# Altium PCB REB215_XPRO_Extension.PcbDoc (part 4 of 5)
Units mil, origin at the board's own origin, x right, y up, seen from the top; angles counter-clockwise.
Board outline 4055.74 x 2606 mil, 6 copper layers (Top Layer LF-signals, Signal Layer 1, Internal Plane 1, Mid-1, Mid-2, Bottom Layer LF-signals), stack 58.434 mil thick; 278 components, 292 nets, 1282 pads, 1177 vias.
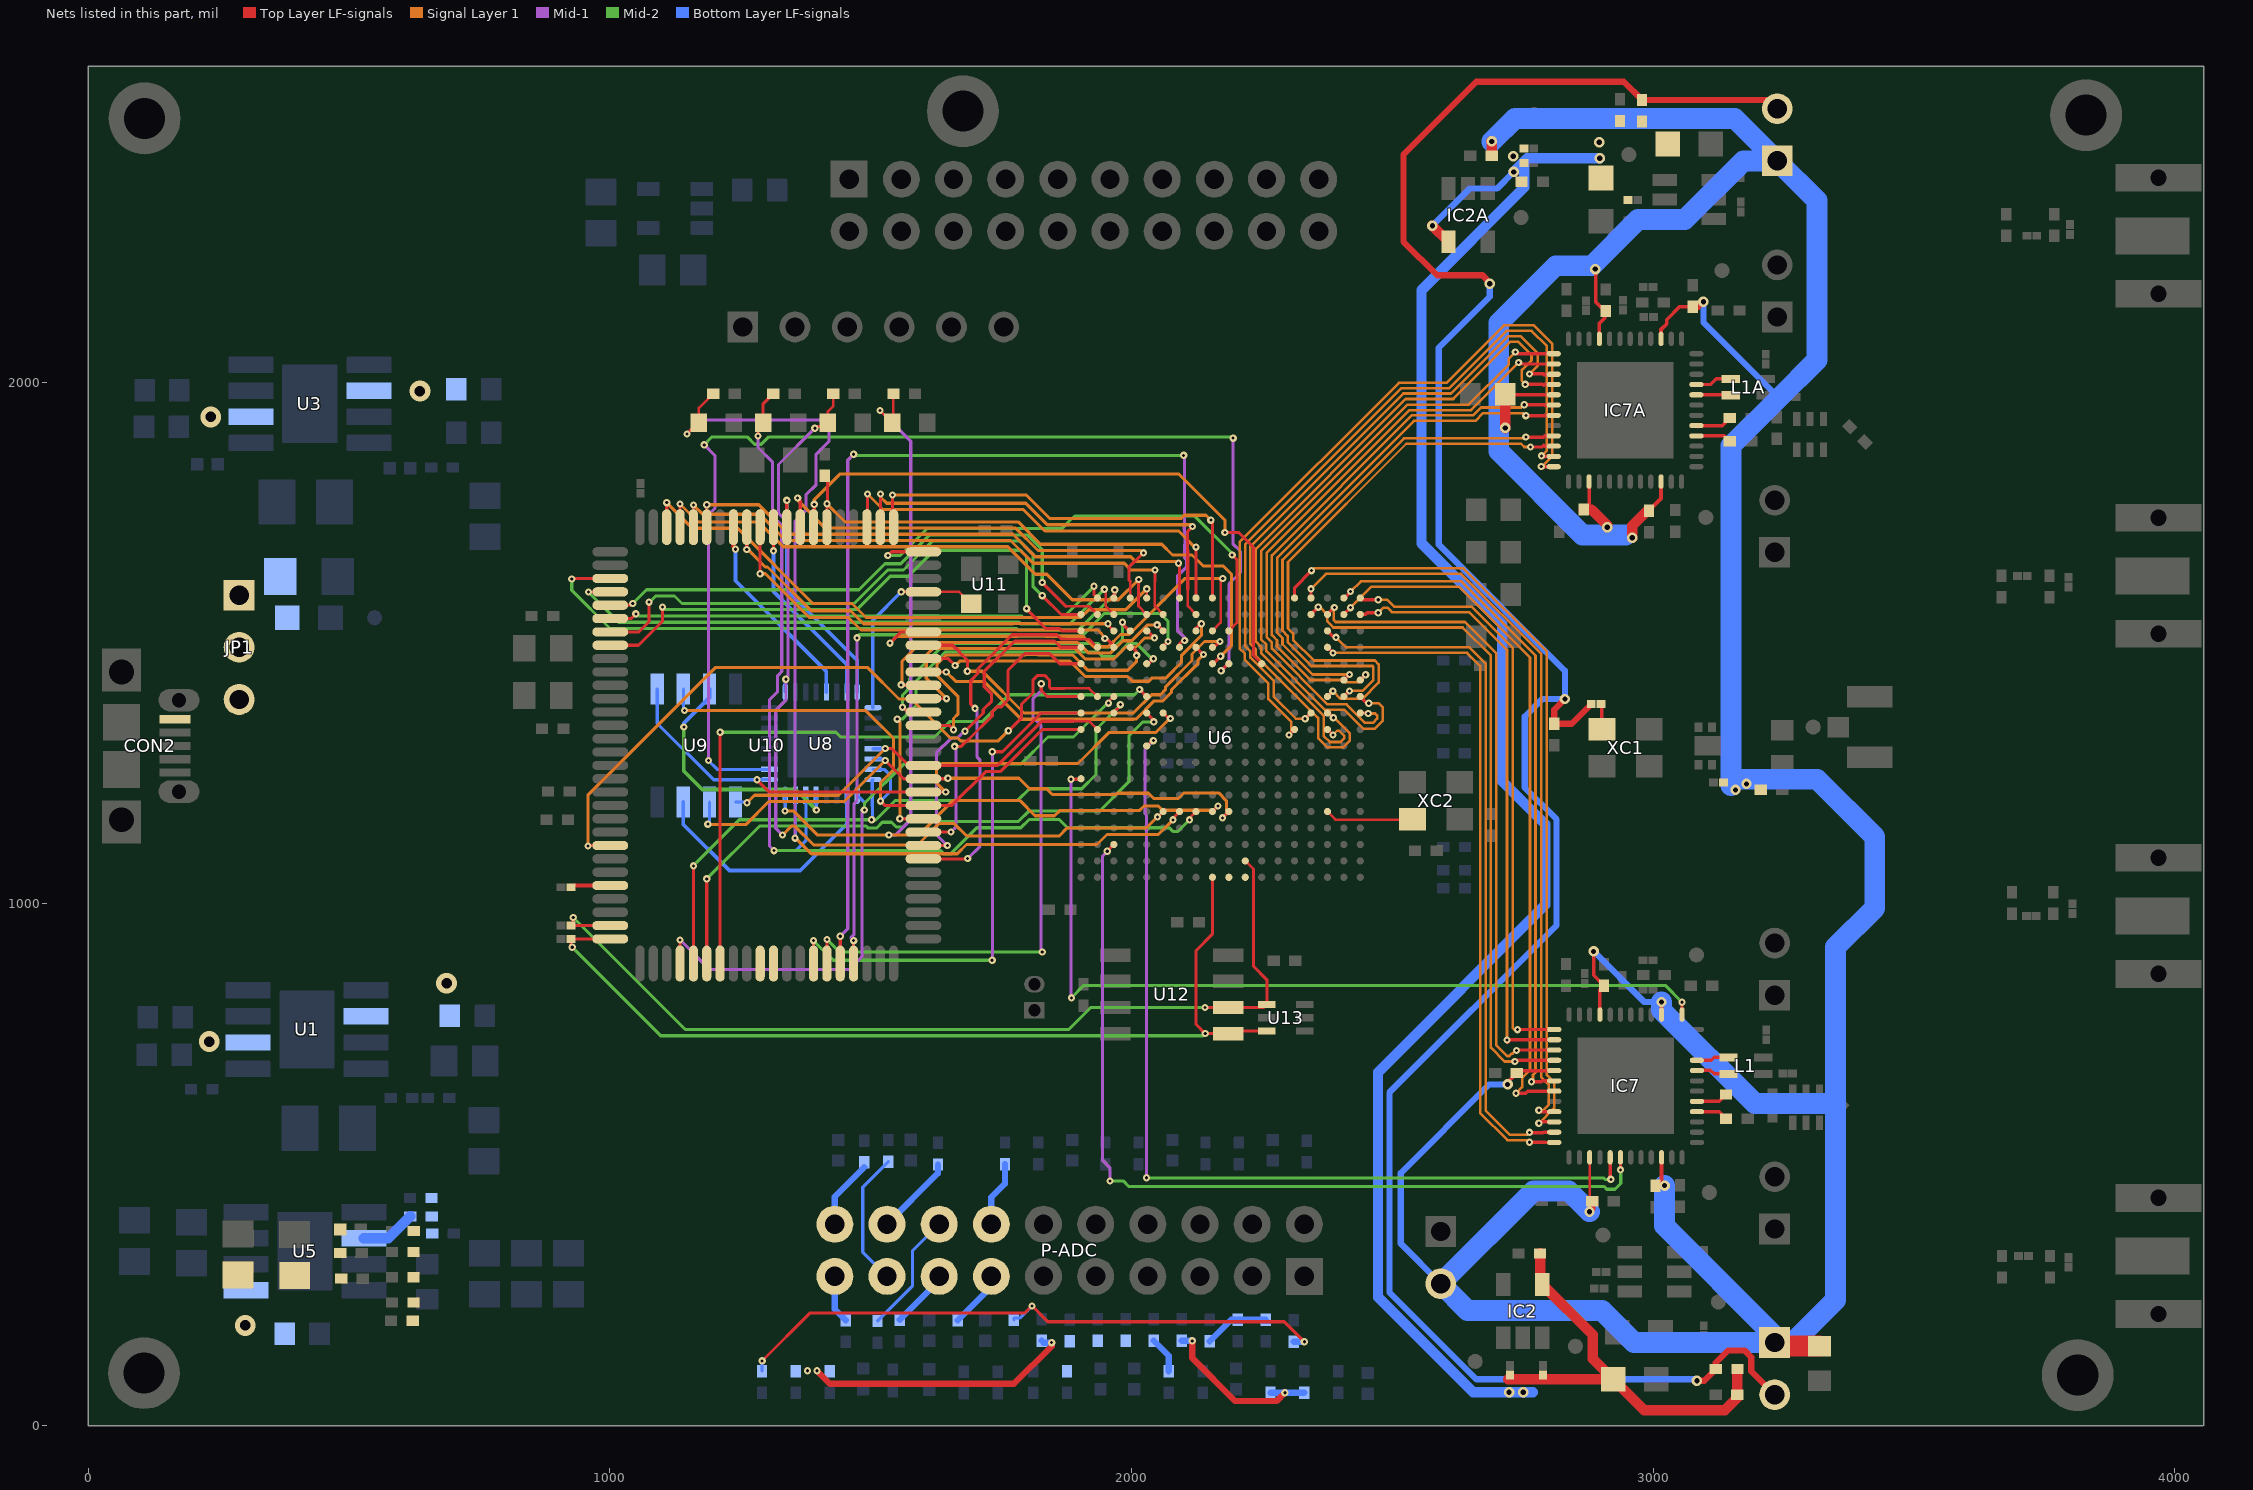
[diagram p8: the nets of this part, all layers, seen from the top]

## Via types
v1: diameter 20, hole 10, Top Layer LF-signals to Bottom Layer LF-signals, 660 vias
v2: diameter 14, hole 6, Top Layer LF-signals to Bottom Layer LF-signals, 470 vias
v3: diameter 40, hole 20, Top Layer LF-signals to Bottom Layer LF-signals, 46 vias
v4: diameter 12, hole 6, Top Layer LF-signals to Bottom Layer LF-signals, 1 vias

## Nets (pads, with @x,y where several pads share a name; then routed paths per layer and width w, separated by ;. In a path a pad name is that pad's centre, name@x,y a point inside that pad or via, vN(x,y) a via of type N, cw(c..) or ccw(c..) an arc to the next point about the centre after c; other vN are vias at no path point) (continued)
NetR019_1: R019.1 U10.26 | length 72.1
  Top Layer LF-signals w7: R019.1@928.74,1035.3 U10.26@1000.8,1035.3
NetR23_1: R23.1 R24.2 R25.1
NetR23_2: R23.2 U5.6 | length 106.1
  Bottom Layer LF-signals w20: U5.6@528.66,359.18 575.67,359.18 R23.2@617.49,401
NetR40_2: R40.2 R58.2 R65.1 | length 1202.9
  Top Layer LF-signals w6: v2@1291.68,123.68 1384,216 1795.82,216 v2(1809.24,229.42) 1839.66,199 2293,199 v2(2331.41,160.59)
  Bottom Layer LF-signals w6: R58.2@1291.68,104.36 1291.68,123.68 v2(1292,124) ; R40.2@1774.48,202.79 1774.48,206.52 1786.68,206.52 1809.24,229.08 v2(1809.24,229.42) 1810.82,231 v2@1811.16,231
  Bottom Layer LF-signals w12: R65.1@2311.1,160.47 2331.29,160.47 v2(2331.41,160.59)
NetR41_2: R41.2 R57.2 R64.1 | length 124.4
  Bottom Layer LF-signals w12: R64.1@2150.11,161.45 2191.45,202.79 R41.2@2203.77,202.79 R57.2@2257.44,202.79
NetR42_2: R42.2 R56.2 R63.1 | length 336.3
  Top Layer LF-signals w12: v2(2116.49,162.43) 2116.49,129.51 2199,47 2277.98,47 v2(2294,63.03)
  Bottom Layer LF-signals w12: R63.1@2096.45,162.43 v2(2116.49,162.43) ; R42.2@2266.46,63.03 v2(2294,63.03) R56.2@2331.45,63.03
NetR43_2: R43.2 R55.2 R62.1 | length 70
  Bottom Layer LF-signals w12: R62.1@2042.79,162.43 2071.5,133.72 R43.2@2071.5,104.36
NetR44_2: R44.2 R54.2 R61.1
NetR45_2: R45.2 R53.2 R60.1 | length 518.3
  Top Layer LF-signals w12: v2(1397,105) 1422,80 1774.74,80 1847,152.26 v2(1847,159)
  Bottom Layer LF-signals w6: v2(1847,159) v2@1847,160.04
  Bottom Layer LF-signals w12: R60.1@1828.14,162.43 1831.58,159 v2(1847,159)
  other v2: 1379,105
NetR46_2: 
NetU6_E3: U6.E3 XC2.3 | length 170.3
  Top Layer LF-signals w5: U6.E3@2375.64,1177.04 2390.94,1161.74 2455.51,1161.74 2455.62,1161.63 2468.38,1161.63 2468.49,1161.74 2538.72,1161.74 XC2.3@2538.72,1162.57
NetU8_10: U8.10 U9.7 | length 485.1
  Bottom Layer LF-signals w7: U9.7@1141,1195.47 1141,1152.29 1229.29,1064 1364.82,1064 1454.6,1153.78 U8.10@1454.6,1208.31
NetU8_13: U8.13 U9.3 | length 499.1
  Mid-2 w7: v2(1142,1339) 1142,1254.34 1177,1219.34 1356.66,1219.34 v2(1396,1180)
  Bottom Layer LF-signals w7: v2(1142,1339) 1142,1346.69 1191,1395.69 U9.3@1191,1412 ; U8.13@1395.5,1208.31 1395.5,1180.5 v2(1396,1180) 1396,1187.84
NetW2_1: W2.1 XC1.4 | length 46.4
  Top Layer LF-signals w7: XC1.4@2901.88,1335 W2.1@2901.88,1381.44
PA0: U6.R15 U10.67 | length 650.7
  Top Layer LF-signals w6: U10.67@1601.2,1342.39 1650.61,1342.39 v2(1659,1334) ; U6.R15@1997.69,1492 2001,1492 2009.91,1483.1 v2(2009.91,1476.51)
  Signal Layer 1 w6: v2(1659,1334) 1659,1355.39 1658.95,1355.45 1667.17,1363.67 1667.17,1398.09 1627,1438.26 1627,1459.34 1645.13,1477.47 1797.14,1477.47 1797.48,1477.81 1820.52,1477.81 1820.86,1477.47 1886.99,1477.47 1916.46,1448 1993,1448 2009.91,1464.91 v2(2009.91,1476.51)
PA1: U6.T15 U10.68 | length 613
  Top Layer LF-signals w6: v2(1561,1377) 1566,1372 1605.22,1372 U10.68@1601.2,1367.98 ; v2(1983,1540) 1983,1536 1995.5,1523.5 U6.T15@1997.69,1523.5
  Mid-2 w6: v2(1561,1377) 1561,1400.06 1574.36,1413.41 1574.36,1431.27 1642.08,1499 1936.51,1499 1942.41,1493.1 1968.09,1493.1 1983,1508 v2(1983,1540)
PA2: U6.T14 U10.69 | length 632.5
  Top Layer LF-signals w6: U10.69@1601.2,1393.57 v2(1645.57,1393.57) ; U6.T14@2029.19,1523.5 2030.5,1523.5 v2(2044,1510)
  Signal Layer 1 w6: v2(1645.57,1393.57) 1606.54,1432.6 1606.54,1477.09 1618.82,1489.38 1792.21,1489.38 1792.55,1489.72 1825.45,1489.72 1825.79,1489.38 1891.92,1489.38 1912.02,1469.28 1965.45,1469.28 1988.81,1492.64 2008.64,1492.64 2026,1510 v2(2044,1510)
PA3: U6.T13 U10.70 | length 640.2
  Top Layer LF-signals w6: v2(1558.45,1420) 1559.29,1419.16 U10.70@1601.2,1419.16 ; v2(2049.18,1535) U6.T13@2060.68,1523.5
  Signal Layer 1 w6: v2(1558.45,1420) 1560,1421.55 1560,1465.1 1596.19,1501.28 1787.28,1501.28 1787.62,1501.62 1830.38,1501.62 1830.72,1501.28 1896.86,1501.28 1916.95,1481.19 1960.52,1481.19 1983.88,1504.55 2000.55,1504.55 2031,1535 v2(2049.18,1535)
PA4: U6.R11 U10.71 | length 657.6
  Top Layer LF-signals w6: U10.71@1601.2,1444.75 v2(1644.98,1444.75) ; U6.R11@2123.67,1492 2137.67,1478 v2(2138,1478)
  Signal Layer 1 w6: v2(1644.98,1444.75) 1663.17,1426.57 1716.6,1426.57 1789.05,1354.11 2003.86,1354.11 2004.07,1354.32 2008.78,1354.32 2043.65,1389.19 2060.52,1389.19 2076.81,1405.48 2076.81,1410.64 2127.84,1461.67 2127.84,1467.84 v2(2138,1478) 2135.67,1478 v2@2133.67,1480
PA5: U6.T11 U10.72 | length 643.7
  Top Layer LF-signals w6: U10.72@1601.2,1470.34 1648.66,1470.34 v2(1662,1457) ; U6.T11@2123.67,1523.5 2123.67,1526.67 2123,1527.35 2132.65,1537 v2(2134,1537)
  Signal Layer 1 w6: v2(1662,1457) 1670.57,1465.57 1802.07,1465.57 1802.41,1465.91 1815.59,1465.91 1815.93,1465.57 1882.06,1465.57 1911.72,1435.91 1992.59,1435.91 2001.59,1426.91 2032.98,1426.91 2038.98,1432.91 2065.4,1432.91 2096.18,1463.68 2096.18,1476.68 2134,1514.51 v2(2134,1537)
PA6: U6.R10 U10.73 | length 721.5
  Top Layer LF-signals w6: U10.73@1601.2,1495.93 1657.07,1495.93 1685.35,1467.65 v2(1685.35,1446) ; U6.R10@2155.17,1492 2158,1492 2169.14,1503.14 v2(2169.81,1503.14)
  Signal Layer 1 w6: v2(1685.35,1446) 1714,1446 1793.98,1366.02 1998.93,1366.02 1999.14,1366.22 2003.84,1366.22 2038.72,1401.1 2055.59,1401.1 2064.91,1410.41 2064.91,1415.58 2115.93,1466.6 2115.93,1479.09 2139.98,1503.14 v2(2169.81,1503.14)
PA7: U6.T10 U10.74 | length 886.6
  Top Layer LF-signals w5: U6.T10@2155.17,1523.5 2170.92,1539.24 v2@2170.92,1618.38
  Top Layer LF-signals w6: v2(1537,1500) 1558.52,1521.52 U10.74@1601.2,1521.52 ; v2@2170.92,1619.92 v2(2175,1624)
  Signal Layer 1 w6: v2(1537,1500) 1550.19,1513.19 1782.35,1513.19 1782.69,1513.53 1835.31,1513.53 1835.65,1513.19 1907.11,1513.19 1927.2,1493.1 1955.59,1493.1 1978.95,1516.45 1995.62,1516.45 2103.16,1624 v2(2175,1624)
PB0: U6.M16 U8.9 U10.34 | length 1325.3
  Top Layer LF-signals w6: U10.34@1134.66,885.69 v2(1134.66,931) ; v2(1956,1385) 1956,1388 1965.51,1397.51 U6.M16@1966.19,1397.51
  Mid-1 w6: v2(1134.66,931) 1191.66,874 1459,874 1483.24,898.24 1483.24,1179.76 1483.49,1180 v2(1488,1180)
  Mid-2 w6: v2(1488,1180) 1488,1192.54 1563.47,1268 1788,1268 1840,1320 1889,1320 1954,1385 v2(1956,1385)
  Bottom Layer LF-signals w6: U8.9@1474.3,1208.31 1488,1194.61 v2(1488,1180)
PB1: U6.L16 U8.8 U10.35 | length 1287.4
  Top Layer LF-signals w6: U10.35@1160.25,885.69 v2(1160.25,1073) ; U6.L16@1966.19,1366.02 1966.19,1367.19 1980,1381 1979.02,1381.98 v2(1978.66,1381.98)
  Mid-2 w6: v2(1160.25,1073) 1160.25,1073.25 1248.27,1161.27 v2(1502,1161.27) 1510.27,1161.27 1547.53,1198.53 1782.03,1198.53 1804.41,1220.91 1904.91,1220.91 1932,1248 1932,1334.51 1979.48,1381.98 v2(1978.66,1381.98)
  Bottom Layer LF-signals w6: v2(1502,1161.27) 1503.91,1163.17 1503.91,1186.59 1503.09,1187.4 1503.09,1237.1 U8.8@1504.35,1238.36
PB2: U6.L14 U10.36 | length 1228.9
  Top Layer LF-signals w6: U10.36@1185.84,885.69 v2(1185.84,1048) ; U6.L14@2029.19,1366.02 2042.79,1352.41 v2(2042.79,1349)
  Mid-2 w6: v2(1185.84,1048) 1287.21,1149.36 1491.41,1149.36 1495.41,1145.36 1511.2,1145.36 1522.5,1156.66 1540.09,1156.66 1549.41,1147.35 1562.59,1147.35 1573.24,1158 1783,1158 1802.97,1177.97 1938.67,1177.97 1995,1234.31 1995,1321.91 2022.09,1349 v2(2042.79,1349)
PB3: U6.M14 U10.37 | length 1305.5
  Top Layer LF-signals w6: U10.37@1211.43,885.69 v2(1211.43,1329) ; v2(2015.7,1411) U6.M14@2029.19,1397.51
  Mid-2 w6: v2@1215,1326.98 1217.02,1329 1433.48,1329 1442.48,1320 1622.51,1320 1652.41,1349.91 1714.74,1349.91 1733.09,1368.26 1733.09,1368.59 1742.41,1377.91 1742.74,1377.91 1765.93,1401.1 2005.79,1401.1 v2(2015.7,1411)
PB4: U6.L18 U10.44 | length 1003.1
  Top Layer LF-signals w6: U10.44@1390.57,885.69 v2(1390.57,929.57) ; v2(1733.1,1291.79) 1752.7,1291.79 1826.92,1366.02 U6.L18@1903.2,1366.02
  Mid-1 w6: v2(1733,892) 1733.72,892.72 1733.72,1291.17 v2(1733.1,1291.79)
  Mid-2 w6: v2(1390.57,929.57) 1428.13,892 v2(1733,892)
PB5: U6.M18 U10.45 | length 1091.5
  Top Layer LF-signals w6: U10.45@1416.16,885.69 v2(1416.16,931.98) ; v2(1827,1422.18) 1827,1409.13 1838.49,1397.65 ; 1838.49,1397.51 1838.49,1397.65 ; U6.M18@1903.2,1397.51 1838.62,1397.51 1838.49,1397.65
  Mid-1 w6: v2(1827,1422.18) 1827,1409 1810.99,1392.99 1810.99,1358.21 1826.91,1342.3 1826.91,910.1 v2(1829,908)
  Mid-2 w6: v2(1416.16,931.98) 1440.14,908 v2(1829,908)
PB6: U6.R12 U10.46 | length 2014.1
  Top Layer LF-signals w6: U10.46@1441.75,885.69 v2(1441.75,938) ; U6.R12@2089,1492 U6.R12@2092.18,1492 2092.18,1498.92 2098.26,1505 v2(2102,1505)
  Mid-1 w6: v2(1441.75,938) 1456,952.25 1456,1850.66 v2(1467.34,1862) ; v2(2100.09,1859.91) 2102,1858 2102,1730.87 2101.09,1729.97 2101.09,1716.79 2102,1715.88 2102,1703.49 2102.91,1702.59 2102.91,1689.41 2102,1688.51 2102,1663.49 2105.91,1659.59 2105.91,1646.41 2088,1628.51 2088,1524.33 2102,1510.33 v2(2102,1505)
  Mid-2 w6: v2@1467.34,1859.91 v2(2100.09,1859.91)
PB7: U6.R13 U10.47 | length 1315.8
  Top Layer LF-signals w6: U10.47@1467.34,885.69 v2(1467.34,929.66) ; U6.R13@2060.68,1492 2060.68,1494.15 2061.15,1494.15 v2(2070,1503) v2@2072,1505
  Mid-1 w6: v2(1467.34,929.66) 1462,935 1467.91,940.91 1467.91,1191.4 1474,1197.49 v2(1474,1510)
  Mid-2 w6: v2(1474,1510) 1472.19,1510 1478.28,1516.1 1774.9,1516.1 1777.62,1513.38 1904.38,1513.38 1947.7,1556.7 2055.3,1556.7 2070,1542 v2(2070,1503)
PC0: U6.R17 U10.57 | length 737.5
  Top Layer LF-signals w5: 1871.31,1507.75 1918.95,1507.75 U6.R17@1934.7,1492
  Top Layer LF-signals w6: U10.57@1601.2,1086.48 1685.48,1086.48 v2(1686,1087) ; v2(1700,1375) 1692,1383 1692,1428 1705.93,1441.93 1705.93,1450.77 1771.1,1515.93 1857.28,1515.93 1865.46,1507.75 1871.31,1507.75
  Mid-1 w6: v2(1686,1087) 1709.91,1110.91 1709.91,1275.65 1704.09,1281.46 1704.09,1370.91 v2(1700,1375)
PC1: U6.R18 U10.58 | length 661.2
  Top Layer LF-signals w6: U10.58@1601.2,1112.07 1646.93,1112.07 v2(1647,1112) ; v2(1681,1331) 1715.91,1365.91 1715.91,1372.82 1731.91,1388.82 1731.91,1402 1717.84,1416.07 1717.84,1445.84 1776.03,1504.03 1852.35,1504.03 1864.38,1492 U6.R18@1903.2,1492
  Mid-1 w6: v2(1647,1112) 1626,1133 1626,1289.49 1654.41,1317.91 1665.91,1317.91 1680,1332 v2(1681,1331)
PC2: U6.P18 U10.59 | length 583.2
  Top Layer LF-signals w6: U10.59@1601.2,1137.66 1653.66,1137.66 v2(1654,1138) ; v2(1661,1302) 1674,1302 1687.09,1315.1 1687.59,1315.1 1733.09,1360.6 1733.09,1368.59 1742.41,1377.91 1750.4,1377.91 1763.43,1390.94 1763.43,1447.76 1795.89,1480.22 1842.49,1480.22 1862.2,1460.5 U6.P18@1903.2,1460.5
  Mid-1 w6: v2(1654,1138) 1663.95,1147.95 v2@1663.95,1299.05 ; v2@1661,1299.05 v2(1661,1302)
PC3: U6.P14 U10.60 | length 853.3
  Top Layer LF-signals w6: v2(1556,1163.25) U10.60@1601.2,1163.25 ; U6.P14@2029.19,1460.5 2032.5,1460.5 v2(2042,1470)
  Mid-2 w6: v2(1551,1354.18) 1560.68,1354.18 1587,1380.51 1587,1427.08 1642.83,1482.91 1935.76,1482.91 1944.67,1474 1969.55,1474 1994.96,1499.41 2009.49,1499.41 v2@2038.9,1470 ; v2@2038.51,1470 v2@2038.9,1470 ; v2(2042,1470) v2@2038.9,1470
  Signal Layer 1 w6: v2(1551,1354.18) 1556,1349.18 v2(1556,1163.25)
PC4: U6.K18 U8.7 U9.2 U10.61 | length 1136.4
  Top Layer LF-signals w6: v2(1519,1197) 1527.16,1188.84 U10.61@1601.2,1188.84 1655.68,1188.84 1720.55,1253.71 1748.29,1253.71 1829.1,1334.52 U6.K18@1903.2,1334.52
  Signal Layer 1 w6: v2(1143,1371) 1490,1371 1543.97,1317.03 1543.97,1257.3 1519,1232.33 v2(1519,1197)
  Bottom Layer LF-signals w6: v2@1141,1373 U9.2@1141,1412 ; U8.7@1504.35,1258.06 1525.94,1258.06 1538.38,1245.62 1538.38,1216.38 v2(1519,1197)
PC5: U6.L13 U8.17 U9.1 U10.62 | length 1260.4
  Top Layer LF-signals w6: v2@1285.84,1238.36 1282.36,1238.36 v2(1282,1238) 1305.57,1214.43 U10.62@1601.2,1214.43 v2(1644,1214.43) ; U6.L13@2060.68,1366.02 2060.68,1366.68 2071.76,1355.6 v2(2074.6,1355.6)
  Signal Layer 1 w6: v2(1644,1214.43) 1626,1232.43 1626,1257.53 1637.57,1269.1 1897.56,1269.1 1957.37,1328.91 2046.91,1328.91 2073.6,1355.6 v2(2074.6,1355.6)
  Bottom Layer LF-signals w6: U9.1@1091,1412 1091,1346 1199,1238 v2(1282,1238) ; v2@1282.36,1238.36 U8.17@1306.35,1238.36
PC6: U6.E9 U8.6 U9.6 U10.63 | length 1205.2
  Top Layer LF-signals w6: v2@1528,1275 1562.98,1240.02 U10.63@1601.2,1240.02 1649.02,1240.02 v2(1648.05,1241) ; v2(2174.63,1165) U6.E9@2186.67,1177.04
  Signal Layer 1 w6: v2(1188,1153) 1188,1152 1260.59,1152 1304.99,1196.4 1449.4,1196.4 v2(1528.07,1275.07) ; v2(1648.05,1241) 1784.32,1241 1804.41,1220.91 1837.41,1220.91 1848.41,1209.91 1970.6,1209.91 1972.89,1212.2 2032.31,1212.2 2042.51,1202 2089.79,1202 2100.7,1212.91 2167.09,1212.91 2182,1198 2182,1172.37 v2(2174.63,1165)
  Bottom Layer LF-signals w6: v2@1191,1156 U9.6@1191,1195.47 ; U8.6@1504.35,1277.76 v2@1525.38,1277.76
PC7: U6.K17 U8.5 U9.5 U10.64 | length 814.2
  Top Layer LF-signals w5: 1889.21,1350.27 1918.95,1350.27 U6.K17@1934.7,1334.52
  Top Layer LF-signals w6: v2(1528,1298) 1540.25,1298 1572.64,1265.61 U10.64@1601.2,1265.61 1743.36,1265.61 1828.01,1350.27 1889.21,1350.27
  Signal Layer 1 w6: v2(1263,1194) 1277.31,1208.31 1438.31,1208.31 v2(1528,1298)
  Bottom Layer LF-signals w6: U9.5@1241,1195.47 v2@1261.54,1195.47 ; U8.5@1504.35,1297.46 1527.46,1297.46 v2(1528,1298)
PD0: U6.T9 U10.80 | length 951.2
  Top Layer LF-signals w5: U6.T9@2186.67,1523.5 2202.41,1539.24 2202.41,1618.38
  Top Layer LF-signals w6: v2(1533,1668) 1540.06,1675.06 U10.80@1601.2,1675.06 ; v2(2193,1669) 2202.41,1659.59 2202.41,1618.38
  Mid-2 w6: v2(1533,1668) 1557,1668 1609,1720 1867,1720 1886.09,1739.1 1887.59,1739.1 1892.51,1744.02 2120.66,1744.02 2193,1671.68 v2(2193,1669)
PD1: U6.V10 U10.81 | length 848.5
  Top Layer LF-signals w6: v2(1542,1784) 1542,1724.42 U10.81@1544.11,1722.31 ; v2(2152.25,1735.75) 2155.17,1732.83 U6.V10@2155.17,1586.49
  Signal Layer 1 w6: v2(1542,1784) 1798.51,1784 1843.79,1738.72 2094.79,1738.72 2101.08,1745 2143,1745 v2(2152.25,1735.75)
PD2: U6.U11 U10.82 | length 866.7
  Top Layer LF-signals w5: 2107.93,1603 2107.93,1570.74 U6.U11@2123.67,1554.99
  Top Layer LF-signals w6: U10.82@1518.52,1722.31 1519,1722.79 v2(1519,1785.84) ; 2107.93,1603 2107.93,1677.25 2107.77,1677.41 2107.77,1714.15 v2(2117,1723.38)
  Signal Layer 1 w6: v2(1519,1785.84) 1519,1780 1530.91,1768.1 1797.58,1768.1 1838.86,1726.81 v2@2113.57,1726.81 ; v2@2115.26,1722.31 v2@2115.93,1722.31 ; v2@2115.93,1723.38 v2(2117,1723.38)
PD3: U6.V11 U10.83 | length 831.2
  Top Layer LF-signals w5: U6.V11@2123.67,1586.49 2123.67,1618.38
  Top Layer LF-signals w6: U10.83@1492.93,1722.31 1494,1723.38 v2(1494,1785.84) ; 2123.67,1618.38 v2(2123.67,1684)
  Signal Layer 1 w6: v2(1494,1785.84) 1523.65,1756.19 1792.64,1756.19 1833.93,1714.91 2090.59,1714.91 v2@2121.49,1684
PD4: U6.V12 U10.95 | length 1062.6
  Top Layer LF-signals w5: U6.V12@2092.18,1586.49 2092.18,1602.43
  Top Layer LF-signals w6: U10.95@1185.84,1722.31 v2(1185.84,1765.16) ; v2(2090,1653) 2092.18,1650.82 2092.18,1602.43
  Signal Layer 1 w6: v2(1185.84,1765.16) 1285.84,1765.16 1342.43,1708.57 1772.92,1708.57 1815.89,1665.6 1998.59,1665.6 2008.09,1656.1 2089.91,1656.1 2090,1656 v2(2090,1653)
PD5: U6.U13 U10.96 | length 1070.5
  Top Layer LF-signals w5: 2044.93,1618.38 2044.93,1570.74 U6.U13@2060.68,1554.99
  Top Layer LF-signals w6: U10.96@1160.25,1722.31 v2(1160.25,1764.79) ; 2044.93,1618.38 2044.93,1639.93 v2(2045,1640)
  Signal Layer 1 w6: v2(1160.25,1764.79) 1178.05,1747 1287.16,1747 1337.5,1696.66 1767.99,1696.66 1811.65,1653 1986.19,1653 1999.19,1640 v2(2045,1640)
PD6: U6.U14 U10.97 | length 1096.9
  Top Layer LF-signals w5: v2@2013.44,1618.38 2013.44,1570.74 U6.U14@2029.19,1554.99
  Top Layer LF-signals w6: U10.97@1134.66,1722.31 v2(1134.66,1766.71) ; v2@2013.44,1618.38 2013.44,1625.56 2014,1625 v2(2014,1622)
  Signal Layer 1 w6: v2(1134.66,1766.71) 1169.37,1732 1285.33,1732 1332.57,1684.76 1763.06,1684.76 1815.91,1631.91 1837.91,1631.91 1886.81,1583 1975,1583 v2(2014,1622)
PD7: U6.V14 U10.98 | length 1098.7
  Top Layer LF-signals w5: U6.V14@2029.19,1586.49 v2(2029.19,1604)
  Top Layer LF-signals w6: U10.98@1109.07,1722.31 v2(1109.07,1769.33)
  Signal Layer 1 w6: v2(1109.07,1769.33) 1158.31,1720.1 1244.97,1720.1 1389.06,1576 1464.17,1576 1491.07,1549.1 1767.74,1549.1 1767.89,1549.24 1850.11,1549.24 1850.26,1549.1 1903.09,1549.1 1918,1564 1989.19,1564 v2(2029.19,1604)
PE0: R15B.2 U6.P10 U10.86 | length 1119.7
  Top Layer LF-signals w6: R15B.2@1412.25,1820.66 1417,1815.91 1417,1767.89 v2(1416.16,1767.05) U10.86@1416.16,1722.31 ; U6.P10@2155.17,1460.5 2156.5,1460.5 v2(2170.92,1474.92)
  Signal Layer 1 w6: v2(1416.16,1767.05) 1450.83,1732.38 1782.78,1732.38 1825.75,1689.41 2058.14,1689.41 2078.55,1669 2116.18,1669 2137.18,1648 2175.53,1648 2192,1631.53 2192,1496 v2(2170.92,1474.92)
PE1: U6.P7 U10.87 | length 1217.6
  Top Layer LF-signals w5: 2233.91,1618.38 2233.91,1476.25 U6.P7@2249.66,1460.5
  Top Layer LF-signals w6: U10.87@1390.57,1722.31 1392,1723.74 v2(1392,1766) ; v2(2179,1712) 2206,1712 2233.91,1684.09 2233.91,1618.38
  Signal Layer 1 w6: v2(1392,1766) 1392,1775.13 1440.77,1823.91 2091.01,1823.91 2179,1735.92 v2(2179,1712)
PE2: U6.V15 U10.88 | length 865.9
  Top Layer LF-signals w5: U6.V15@1997.69,1586.49 1997.69,1618.38
  Top Layer LF-signals w6: v2(1360,1778) 1364.98,1773.02 U10.88@1364.98,1722.31 ; 1997.69,1618.38 1995.09,1620.97 1995.09,1645.1 v2(2023,1673)
  Signal Layer 1 w6: v2(1360,1778) 1360,1773.64 1413.17,1720.47 1777.85,1720.47 1820.82,1677.5 2018.5,1677.5 v2(2023,1673)
PE3: U8.32 U10.89 | length 474.5
  Top Layer LF-signals w7: U10.89@1339.39,1722.31 v2(1339.39,1773.61)
  Bottom Layer LF-signals w7: v2(1339.39,1773.61) 1339.39,1601.61 1474.3,1466.7 U8.32@1474.3,1406.31
PE4: U8.31 U10.90 | length 374.3
  Top Layer LF-signals w6: v2(1313.8,1676.86) U10.90@1313.8,1722.31
  Bottom Layer LF-signals w7: v2(1313.8,1676.86) 1313.8,1599.09 1454.6,1458.28 U8.31@1454.6,1406.31
PE5: U6.R16 U10.91 | length 832.2
  Top Layer LF-signals w6: v2(1288.21,1633) U10.91@1288.21,1722.31 ; v2(1949,1509) 1952,1509 1966.19,1494.81 U6.R16@1966.19,1492
  Signal Layer 1 w6: v2(1288.21,1633) 1298.39,1633 1382.29,1549.1 1457.4,1549.1 1481.4,1525.1 1777.42,1525.1 1777.76,1525.43 1840.25,1525.43 1840.58,1525.1 1935.07,1525.1 1952.26,1507.91 v2@1953.09,1507.91
PE6: U6.T16 U10.92 | length 814.8
  Top Layer LF-signals w6: v2(1262.61,1679.61) U10.92@1262.61,1722.31 ; v2(1955,1537) 1955,1534.69 U6.T16@1966.19,1523.5
  Signal Layer 1 w6: v2(1262.61,1679.61) 1264.08,1679.61 1297.7,1646 1302.23,1646 1386.23,1562 1461.33,1562 1486.33,1537 1772.49,1537 1772.82,1537.34 1845.18,1537.34 1845.52,1537 v2(1955,1537) v2@1956.6,1538.6
PE7: U8.29 U10.93 | length 391.8
  Top Layer LF-signals w7: U10.93@1237.02,1722.31 1237.02,1683.98 v2(1241,1680) v2@1239,1680
  Bottom Layer LF-signals w7: v2(1241,1680) 1241,1619.59 1415.2,1445.39 U8.29@1415.2,1406.31
PROG_B: U6.P9 U8.18 | length 2263.8
  Top Layer LF-signals w6: v2(2172,1447) 2185.5,1460.5 U6.P9@2186.67,1460.5
  Mid-1 w6: v2(1181,1880) 1201.75,1859.25 1201.75,1758.57 1189,1745.82 v2(1189,1275) ; v2(2172,1447) 2187.09,1462.1 2187.09,1613.6 2208.91,1635.41 2208.91,1675.59 2194.91,1689.59 v2(2194.91,1893)
  Mid-2 w6: v2(1181,1880) 1181,1880.42 1195.91,1895.32 1263.18,1895.32 1277.41,1881.1 1290.59,1881.1 1304.82,1895.32 2192.58,1895.32 v2(2194.91,1893)
  Bottom Layer LF-signals w6: v2(1189,1275) 1205.94,1258.06 U8.18@1306.35,1258.06
R\E\S\E\T\: U8.1 U10.77 U11.2 | length 387.8
  Top Layer LF-signals w5: U10.77@1601.2,1598.29 1669.87,1598.29 U11.2@1692.57,1575.6
  Top Layer LF-signals w7: v2(1558.7,1598.29) U10.77@1601.2,1598.29
  Bottom Layer LF-signals w7: U8.1@1504.35,1376.26 1504.35,1543.94 v2(1558.7,1598.29)
R\S\T\N\: IC7.13@3055.51,787.82 U6.G18 | length 1659.6
  Top Layer LF-signals w6: v2(1884,1239) 1902.17,1239 U6.G18@1903.2,1240.03 ; IC7.13@3055.51,787.82 v2(3055.51,811.49)
  Mid-1 w6: v2(1884,1239) 1884,822.2 1882,820.2 1882.2,820 v2(1885,820)
  Mid-2 w6: v2@1885,820.42 1908.41,843.83 3023.17,843.83 v2(3055.51,811.49)
RDX0: U10.41
RDY0: U6.V16 U10.3 | length 1221
  Top Layer LF-signals w6: v2(927,1622.88) 928,1623.88 U10.3@1000.8,1623.88 ; U6.V16@1966.19,1586.49 1966.19,1592.43 1966,1592.62 1968,1594.62 v2(1968,1602)